# Allegro board 6089-103-RevB_76.brd (continued)
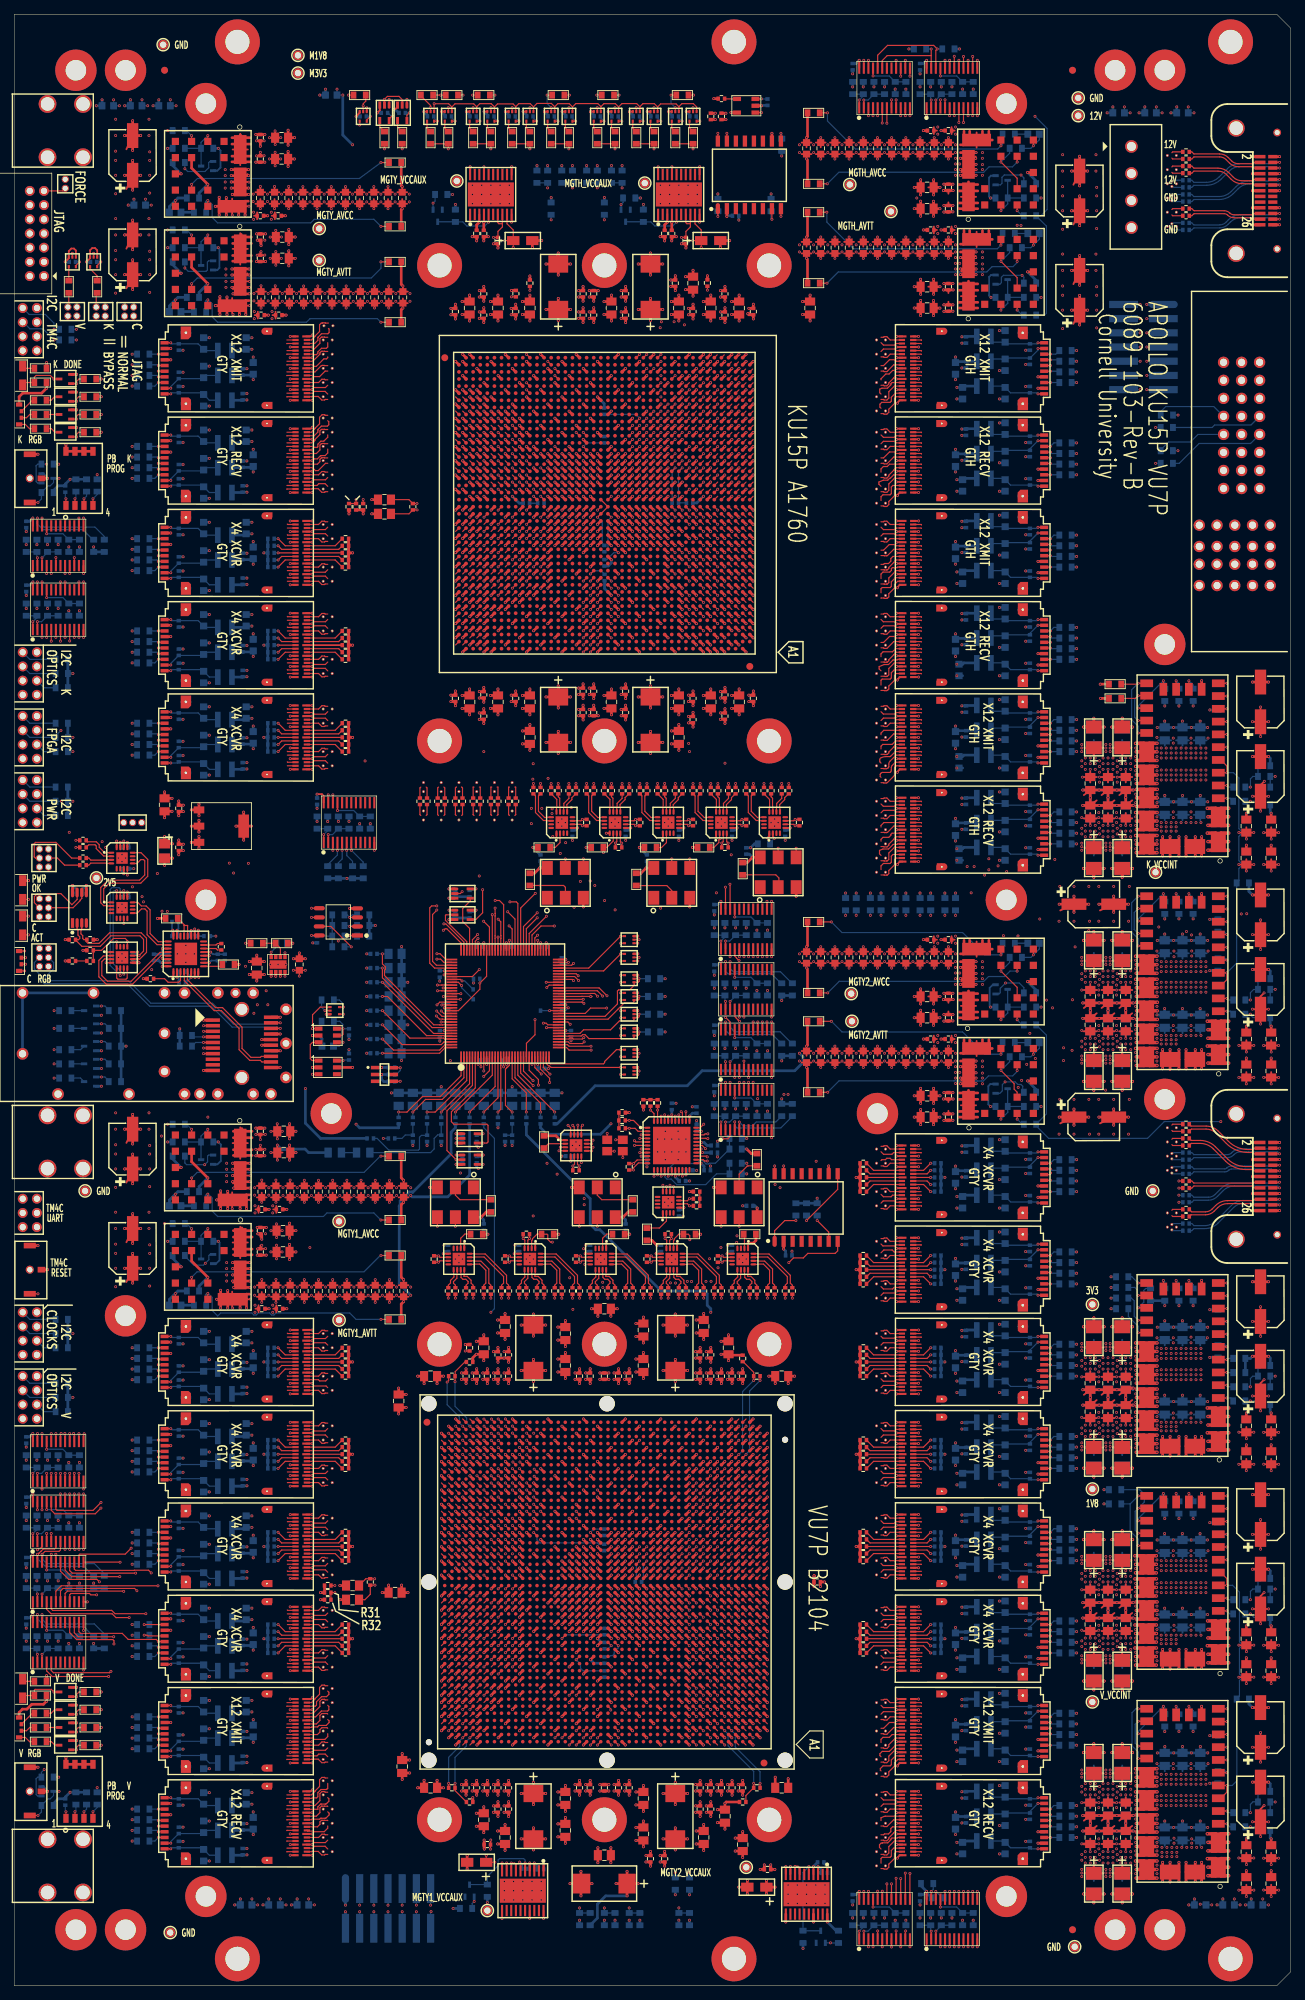
[diagram p0: board, top side]
## Nets (continued)
TM4C_LED_RED: Q25.1 R649.2 U52.118
TM4C_TO_KU15P_0: U46.2 U52.94
TM4C_TO_VU7P_0: U48.2 U52.5
V_CONFIG_BIT_M2: R682.1 SW5.1 U66.R12
V_DIP_SW_1: R667.2 SW5.2 U66.A28
V_DIP_SW_2: R659.2 SW5.3 U66.A27
V_FF1_XCVR_I2C_SCL: R281.1 U101.5 U110.8
V_FF1_XCVR_I2C_SDA: R282.1 U101.4 U110.7
V_FF2_XCVR_I2C_SCL: R285.1 U101.7 U111.8
V_FF2_XCVR_I2C_SDA: R286.1 U101.6 U111.7
V_FF3_XCVR_I2C_SCL: R289.1 U101.9 U112.8
V_FF3_XCVR_I2C_SDA: R290.1 U101.8 U112.7
V_FF4_XCVR_I2C_SCL: R293.1 U101.11 U113.8
V_FF4_XCVR_I2C_SDA: R294.1 U101.10 U113.7
V_FF5_XCVR_I2C_SCL: R297.1 U101.14 U114.8
V_FF5_XCVR_I2C_SDA: R298.1 U101.13 U114.7
V_FF6_XCVR_I2C_SCL: R301.1 U101.16 U115.8
V_FF6_XCVR_I2C_SDA: R302.1 U101.15 U115.7
V_FF7_XCVR_I2C_SCL: R624.1 U3.5 U25.8
V_FF7_XCVR_I2C_SDA: R623.1 U3.4 U25.7
V_FF8_XCVR_I2C_SCL: R628.1 U3.7 U26.8
V_FF8_XCVR_I2C_SDA: R627.1 U3.6 U26.7
V_FF9_XCVR_I2C_SCL: R632.1 U3.9 U27.8
V_FF9_XCVR_I2C_SDA: R631.1 U3.8 U27.7
V_FF10_XCVR_I2C_SCL: R636.1 U3.11 U28.8
V_FF10_XCVR_I2C_SDA: R635.1 U3.10 U28.7
V_FF11_RECV_I2C_SCL: R309.1 U101.20 U117.8
V_FF11_RECV_I2C_SDA: R310.1 U101.19 U117.7
V_FF11_XMIT_I2C_SCL: R305.1 U101.18 U116.8
V_FF11_XMIT_I2C_SDA: R306.1 U101.17 U116.7
V_FF12_RECV_I2C_SCL: R644.1 U3.16 U30.8
V_FF12_RECV_I2C_SDA: R643.1 U3.15 U30.7
V_FF12_XMIT_I2C_SCL: R640.1 U3.14 U29.8
V_FF12_XMIT_I2C_SDA: R639.1 U3.13 U29.7
V_FPGA_DONE: Q5.1 R21.2 U66.AC12
V_FPGA_I2C_SCL: R520.1 U36.7 U66.AM27
V_FPGA_I2C_SDA: R526.1 U36.6 U66.AN27
V_FPGA_PROGRAM: Q27.1 R712.2 U52.27
V_GTY1_SEL_SYNTH: R135.1 U83.2 U93.4
V_GTY2_SEL_SYNTH: R106.1 U56.2 U93.5
V_LED_BLUE: Q6.1 R22.2 U66.C27
V_LED_GREEN: Q7.1 R23.2 U66.B30
V_LED_RED: Q8.1 R24.2 U66.B29
V_MGTY1_AVCC: C28.1 C29.1 C34.1 C38.1 C50.1 C55.1 C59.1 C63.1 C67.1 C71.1 C76.1 C81.1 C88.1 C133.1 C136.1 C138.1 C139.1 C142.1 C145.1 PM1.1 R78.2 R497.1 U17.3 U66.AD36 U66.AF37 U66.AG38 U66.AL38 U66.AM36 U66.AP37 U66.AR38 U66.AT36 U66.AW38 U66.AY40 U66.L38 U66.M36 U66.N39 U66.P37 U66.R38 U66.T36 U66.U39 U66.V37
V_MGTY1_AVCC_OK: R595.2 U17.9 U52.23
V_MGTY1_AVTT: C30.1 C31.1 C35.1 C39.1 C51.1 C56.1 C60.1 C64.1 C68.1 C72.1 C77.1 C82.1 C89.1 C112.1 C113.1 C122.1 C123.1 C124.1 C125.1 PM3.1 R80.2 R90.2 R91.2 R500.1 U18.3 U66.AA39 U66.AB41 U66.AC38 U66.AD40 U66.AE39 U66.AF41 U66.AH40 U66.AJ39 U66.AK41 U66.AM40 U66.AN39 U66.AP41 U66.AT40 U66.AU39 U66.AV41 U66.BA42 U66.BA43 U66.BC43 U66.BD45 U66.BE44 U66.C45 U66.D43 U66.F42 U66.F43 U66.H40 U66.K41 U66.M40 U66.P41 U66.T40 U66.V41 U66.W38 U66.Y40
V_MGTY1_AVTT_OK: R598.2 U18.9 U52.22
V_MGTY1_VCCAUX: C114.1 C126.1 C134.1 C135.1 PM4.1 R496.1 U54.7(SENSE) U54.8 U54.9 U66.AB36 U66.AH36 U66.AK36 U66.Y36
V_MGTY2_AVCC: C253.1 C256.1 C258.1 C259.1 C265.1 C268.1 C313.1 C319.1 C323.1 C327.1 C331.1 C335.1 C339.1 C343.1 C347.1 C359.1 C363.1 C373.1 C374.1 PM19.1 R157.2 R487.1 U66.A7 U66.A11 U66.AA11 U66.AG10 U66.AJ11 U66.AL10 U66.AN11 U66.AP9 U66.AR10 U66.AU11 U66.AV9 U66.AW7 U66.B9 U66.C10 U66.E11 U66.G10 U66.J11 U66.L10 U66.N11 U66.W10 U120.3
V_MGTY2_AVCC_OK: R321.2 U52.24 U120.9
V_MGTY2_AVTT: C274.1 C275.1 C280.1 C282.1 C284.1 C285.1 C314.1 C320.1 C324.1 C328.1 C332.1 C336.1 C340.1 C344.1 C348.1 C360.1 C364.1 C377.1 C378.1 PM20.1 R145.2 R146.2 R159.2 R483.1 U66.AB9 U66.AC6 U66.AD8 U66.AE7 U66.AF9 U66.AG6 U66.AH8 U66.AJ7 U66.AK9 U66.AL6 U66.AM8 U66.AN7 U66.AR6 U66.AT8 U66.AU7 U66.B3 U66.BC5 U66.BD2 U66.BE4 U66.D8 U66.E7 U66.F9 U66.G6 U66.H8 U66.J7 U66.K9 U66.L6 U66.M8 U66.N7 U66.P9 U66.R6 U66.T8 U66.U7 U66.V9 U66.W6 U66.Y8 U121.3
V_MGTY2_AVTT_OK: R324.2 U52.25 U121.9
V_MGTY2_VCCAUX: C266.1 C267.1 C299.1 C302.1 PM18.1 R490.1 U66.AC11 U66.AE11 U66.R11 U66.U11 U99.7(SENSE) U99.8 U99.9
V_OPTICS_I2C_SCL: J8.2 U3.22 U4.22 U101.22
V_OPTICS_I2C_SDA: J8.4 U3.23 U4.23 U101.23
V_TCK_1V8: R113.2 R116.2 U66.AE13
V_TDI: J13.2 U66.AE15
V_TDO: J13.4 U66.AC13
V_TMS_1V8: R92.2 R95.2 U66.AG15(TMS_0)
V_VCCINT: C143.1 C144.1 C156.1 C157.1 C167.1 C168.1 C169.1 C170.1 C175.1 C176.1 C183.1 C184.1 C196.1 C202.1 C203.1 C212.1 C213.1 C218.1 C219.1 C220.1 C221.1 C226.1 C231.1 C236.1 C237.1 C254.1 C255.1 C389.1 C390.1 C391.1 C392.1 C401.1 C402.1 C403.1 C404.1 C411.1 C412.1 C413.1 C414.1 C421.1 C422.1 C423.1 C424.1 C431.1 C432.1 C433.1 C434.1 C487.1 C488.1 C489.1 C490.1 C513.1 C514.1 C515.1 C516.1 C523.1 C524.1 C525.1 C526.1 C534.1 C535.1 C536.1 C537.1 C544.1 C545.1 C546.1 C547.1 C555.1 C556.1 C557.1 C558.1 C565.1 C566.1 C567.1 C568.1 C575.1 C576.1 C577.1 C578.1 PM5.1 R256.2 R478.1 R494.1 U66.AA14 U66.AA16 U66.AA18 U66.AA20 U66.AA22 U66.AA24 U66.AB13 U66.AB15 U66.AB17 U66.AB19 U66.AB21 U66.AB23 U66.AB25 U66.AC14 U66.AC16 U66.AC18 U66.AC20 U66.AC22 U66.AC24 U66.AD15 U66.AD17 U66.AD19 U66.AD21 U66.AD23 U66.AD25 U66.AE14 U66.AE16 U66.AE18 U66.AE20 U66.AE22 U66.AE24 U66.AE26 U66.AF15 U66.AF17 U66.AF21 U66.AF23 U66.AF25 U66.AG14 U66.AG16 U66.AG20 U66.AG22 U66.AG24 U66.AH13 U66.AH15 U66.AH17 U66.AH21 U66.AH23 U66.AH25 U66.AJ14 U66.AJ16 U66.AJ20 U66.AJ22 U66.AJ24 U66.AK13 U66.AK15 U66.AK17 U66.AK19 U66.AK21 U66.AK23 U66.T13 U66.T15 U66.T17 U66.T19 U66.T21 U66.T23 U66.T25 U66.U14 U66.U16 U66.U18 U66.U20 U66.U22 U66.U24 U66.V13 U66.V15 U66.V17 U66.V19 U66.V21 U66.V23 U66.V25 U66.W14 U66.W16 U66.W18 U66.W20 U66.W22 U66.W24 U66.Y13 U66.Y15 U66.Y17 U66.Y19 U66.Y21 U66.Y23 U66.Y25 U125.22 U125.23 U125.25 U125.26 U126.22 U126.23 U126.25 U126.26
V_VCCINT_A_SCL: R341.1 U91.11 U125.10
V_VCCINT_A_SDA: R345.1 U91.10 U125.11
V_VCCINT_B_SCL: R401.1 U91.14 U126.10
V_VCCINT_B_SDA: R404.1 U91.13 U126.11
V_VCCINT_PG_A: U52.32 U75.4(Y)
V_VCCINT_PG_A_1: R207.2 R208.1 R224.2 U75.1
V_VCCINT_PG_A_2: R205.1 R206.2 R223.2 U75.2
V_VCCINT_PG_B: U52.31 U76.4(Y)
V_VCCINT_PG_B_1: R211.2 R212.1 R226.2 U76.1
V_VCCINT_PG_B_2: R209.1 R210.2 R225.2 U76.2
V_VCCINT_PWR_EN: R214.1 U74.4(Y) U125.5 U125.6 U126.5 U126.6
VU7P_FROM_TM4C_0: U48.4 U66.AL33
VU7P_TO_TM4C_0: U47.2 U66.AU34
N7164071: C585.1 C627.1 L7.2 U104.1
N7164321: C583.1 C625.1 L5.2 U104.10
N7181615: C588.1 C630.1 L10.2 U105.1
N7181767: C586.1 C628.1 L8.2 U105.10
N7182655: C587.1 C629.1 L9.2 U105.9
N7186304: C584.1 C626.1 L6.2 U104.9
N7242045: C591.1 C633.1 L13.2 U106.1
N7242085: C589.1 C631.1 L11.2 U106.10
N7242245: C594.1 C636.1 L16.2 U107.1
N7242265: C592.1 C634.1 L14.2 U107.10
N7242295: C593.1 C635.1 L15.2 U107.9
N7242375: C590.1 C632.1 L12.2 U106.9
N7253750: C597.1 C639.1 L19.2 U108.1
N7253790: C595.1 C637.1 L17.2 U108.10
N7253950: C600.1 C642.1 L22.2 U109.1
N7253970: C598.1 C640.1 L20.2 U109.10
N7254000: C599.1 C641.1 L21.2 U109.9
N7254080: C596.1 C638.1 L18.2 U108.9
N7267092: C893.1 C929.1 L56.2 U23.1
N7267120: C895.1 C931.1 L58.2 U23.10
N7267228: C894.1 C930.1 L57.2 U23.9
N7267342: R549.2 U23.B12
N7267344: R548.2 U23.B11
N7267346: R547.2 U23.B10
N7267348: R546.2 U23.B9
N7267350: R545.2 U23.B8
N7267352: R42.2 U23.A12
N7267354: R41.2 U23.A11
N7267356: R40.2 U23.A10
N7267358: R39.2 U23.A9
N7267360: R38.2 U23.A8
N7269158: C890.1 C926.1 L53.2 U22.1
N7269186: C892.1 C928.1 L55.2 U22.10
N7269294: C891.1 C927.1 L54.2 U22.9
N7269408: R544.2 U22.B12
N7269410: R543.2 U22.B11
N7269412: R542.2 U22.B10
N7269414: R541.2 U22.B9
N7269416: R540.2 U22.B8
N7269418: R37.2 U22.A12
N7269420: R36.2 U22.A11
N7269422: R35.2 U22.A10
N7269424: R34.2 U22.A9
N7269426: R33.2 U22.A8
N7271934: C606.1 C648.1 L28.2 U111.1
N7271962: C604.1 C646.1 L26.2 U111.10
N7272070: C605.1 C647.1 L27.2 U111.9
N7272184: R353.2 U111.B12
N7272186: R354.2 U111.B11
N7272188: R355.2 U111.B10
N7272190: R356.2 U111.B9
N7272192: R357.2 U111.B8
N7272194: R166.2 U111.A12
N7272196: R167.2 U111.A11
N7272198: R168.2 U111.A10
N7272200: R169.2 U111.A9
N7272202: R170.2 U111.A8
N7416081: R486.1 R489.1 U65.AB31
N7416127: R486.2 U65.AB30
N7416741: R448.1 R452.1 U65.AF11
N7416787: R452.2 U65.AF12
N7431932: R481.2 R482.2 U65.AM17
N7432046: R472.2 U65.AM16
N7432084: R485.2 R488.2 U65.AM18
N7432236: R462.2 R464.2 U65.AL15
N7432312: R477.2 R479.2 U65.AL16
N7433493: R417.2 U65.AL18 U95.7
N7433497: R443.2 U65.AN15 U95.1
N7433501: R413.2 U65.AN14 U95.9
N7433549: U65.AN12 U95.15
N7433553: U65.AM14 U95.8
N7433601: U65.AK17 U95.16
N7434099: Q26.3(S) R705.2 SW1.2 U65.AJ18
N7503296: R484.2 U65.AK18
N7505902: R478.2 R480.2 U66.AD12
N7506206: R406.2 U66.AG12 U98.7
N7506210: R409.2 U66.AH12 U98.1
N7506214: R407.2 U66.AL12 U98.9
N7506288: U66.AK12 U98.15
N7506296: R449.2 U66.W12
N7506304: U66.AJ12 U98.8
N7506346: R463.2 R474.2 U66.AA12
N7506428: U66.AG13 U98.16
N7506600: R459.2 R461.2 U66.U12
N7506822: R450.2 R451.2 U66.V12
N7507208: Q27.3(S) R713.2 SW3.2 U66.AE12
N7550815: R453.2 U66.Y12
N7684530: R145.1 R150.1 U66.BA5
N7684576: R150.2 U66.BA4
N7685442: R146.1 R151.1 U66.C7
N7685484: R151.2 U66.C6
N7686119: R87.1 R90.1 U66.BE42
N7686165: R87.2 U66.BE43
N7686273: R88.1 R91.1 U66.B42
N7686319: R88.2 U66.B43
N7773368: J1.13 J12.2 R70.2 U37.2
N7773583: R136.1 U86.4(Y)
N7774117: R130.1 U78.4(Y)
N7774145: U37.4(Y) U41.1 U42.1 U49.1 U50.1 U53.1 U55.1 U57.1 U60.1 U62.1 U67.1 U77.1 U78.1 U84.1 U86.1
N7774339: R116.1 U67.4(Y)
N7775449: R113.1 U62.4(Y)
N7775531: R123.1 U77.4(Y)
N7775613: R133.1 U84.4(Y)
N7781104: R92.1 U49.4(Y)
N7781202: R98.1 U53.4(Y)
N7781356: R107.1 U57.4(Y)
N7781480: R95.1 U50.4(Y)
N7781570: R101.1 U55.4(Y)
N7781690: R109.1 U60.4(Y)
N7785178: R85.1 U42.4(Y)
N7785276: R83.1 U41.4(Y)
N7786813: J15.3 U9.2
N7786849: J13.1 R11.2
N7786853: J14.3 U7.2
N7788022: R25.1 U9.4(Y)
N7788421: R11.1 U7.4(Y)
N7873129: J13.3 U38.2 U40.2
N7875048: R72.1 U38.4
N7875062: R81.1 U40.4
N7921883: R191.1 U122.17 U122.21 U123.17 U123.21
N7921887: R192.1 U122.18 U122.20 U123.18 U123.20
N7922601: R245.1 U122.16 U122.19(VTRIM_2)
N7927125: R240.1 U122.15
N7927299: R235.1 U122.14
N7927470: R227.1 U122.9
N7930999: R228.1 U123.9
N7931071: R236.1 U123.14
N7931075: R246.1 U123.16 U123.19(VTRIM_2)
N7931121: R241.1 U123.15
N7932656: R229.1 U122.7 U123.7
N7932668: U122.8 U123.8
N7976034: C953.2 R583.1 U15.17
N7976041: R583.2 U15.7 U15.10
N7976167: R74.1 R579.1 U15.8
N7976190: C953.1 R579.2
N7976427: R73.1 U15.11(VS-)
N8075654: R153.1 R329.1 U118.8
N8076002: C579.1 R329.2
N8076188: C579.2 R325.1 U118.17
N8076282: R325.2 U118.7 U118.10
N8076364: R154.1 U118.11(VS-)
N8077950: R76.1 R580.1 U16.8
N8078298: C954.1 R580.2
N8078484: C954.2 R584.1 U16.17
N8078578: R584.2 U16.7 U16.10
N8078660: R75.1 U16.11(VS-)
N8080392: R155.1 R330.1 U119.8
N8080740: C580.1 R330.2
N8080926: C580.2 R326.1 U119.17
N8081020: R326.2 U119.7 U119.10
N8081102: R156.1 U119.11(VS-)
N8091418: C957.2 R585.1 U17.17
N8091422: R585.2 U17.7 U17.10
N8091430: R78.1 R581.1 U17.8
N8091438: C957.1 R581.2
N8091448: R77.1 U17.11(VS-)
N8091566: R157.1 R331.1 U120.8
N8091578: C581.1 R331.2
N8091654: C581.2 R327.1 U120.17
N8091666: R327.2 U120.7 U120.10
N8091686: R158.1 U120.11(VS-)
N8091776: R80.1 R582.1 U18.8
N8091788: C958.1 R582.2
N8091864: C958.2 R586.1 U18.17
N8091876: R586.2 U18.7 U18.10
N8091896: R79.1 U18.11(VS-)
N8091986: R159.1 R332.1 U121.8
N8091998: C582.1 R332.2
N8092074: C582.2 R328.1 U121.17
N8092086: R328.2 U121.7 U121.10
N8092106: R160.1 U121.11(VS-)
N8123980: R251.1 U124.17
N8123984: R252.1 U124.18
N8124132: R230.1 U124.9
N8124142: R237.1 U124.14
N8124144: R247.1 U124.16
N8124154: R242.1 U124.15
N8127938: R256.1 U125.17 U125.21 U126.17 U126.21
N8127940: R255.1 U125.18 U125.20 U126.18 U126.20
N8127968: R248.1 U125.16 U125.19(VTRIM_2)
N8128040: R243.1 U125.15
N8128044: R238.1 U125.14
N8128048: R232.1 U125.9
N8128386: R233.1 U126.9
N8128396: R239.1 U126.14
N8128398: R249.1 U126.16 U126.19(VTRIM_2)
N8128408: R244.1 U126.15
N8128418: R234.1 U125.7 U126.7
N8128424: U125.8 U126.8
N8133874: R250.1 U124.19(VTRIM_2)
N8134441: R254.1 U124.21
N8134986: R253.1 U124.20
N8299030: C896.1 C932.1 L59.2 U24.1
N8299058: C898.1 C934.1 L61.2 U24.10
N8299166: C897.1 C933.1 L60.2 U24.9
N8299280: R554.2 U24.B12
N8299282: R553.2 U24.B11
N8299284: R552.2 U24.B10
N8299286: R551.2 U24.B9
N8299288: R550.2 U24.B8
N8299290: R47.2 U24.A12
N8299292: R46.2 U24.A11
N8299294: R45.2 U24.A10
N8299296: R44.2 U24.A9
N8299298: R43.2 U24.A8
N8304104: R144.1 U97.2
N8304200: R103.1 U59.2
N8379593: C609.1 C651.1 L31.2 U112.1
N8379621: C607.1 C649.1 L29.2 U112.10
N8379729: C608.1 C650.1 L30.2 U112.9
N8379843: R358.2 U112.B12
N8379845: R359.2 U112.B11
N8379847: R360.2 U112.B10
N8379849: R361.2 U112.B9
N8379851: R362.2 U112.B8
N8379853: R171.2 U112.A12
N8379855: R172.2 U112.A11
N8379857: R173.2 U112.A10
N8379859: R174.2 U112.A9
N8379861: R175.2 U112.A8
N8381659: C612.1 C654.1 L34.2 U113.1
N8381687: C610.1 C652.1 L32.2 U113.10
N8381795: C611.1 C653.1 L33.2 U113.9
N8381909: R363.2 U113.B12
N8381911: R364.2 U113.B11
N8381913: R365.2 U113.B10
N8381915: R366.2 U113.B9
N8381917: R367.2 U113.B8
N8381919: R176.2 U113.A12
N8381921: R177.2 U113.A11
N8381923: R178.2 U113.A10
N8381925: R179.2 U113.A9
N8381927: R180.2 U113.A8
N8383725: C615.1 C657.1 L37.2 U114.1
N8383753: C613.1 C655.1 L35.2 U114.10
N8383861: C614.1 C656.1 L36.2 U114.9
N8383975: R368.2 U114.B12
N8383977: R369.2 U114.B11
N8383979: R370.2 U114.B10
N8383981: R371.2 U114.B9
N8383983: R372.2 U114.B8
N8383985: R181.2 U114.A12
N8383987: R182.2 U114.A11
N8383989: R183.2 U114.A10
N8383991: R184.2 U114.A9
N8383993: R185.2 U114.A8
N8385791: C618.1 C660.1 L40.2 U115.1
N8385819: C616.1 C658.1 L38.2 U115.10
N8385927: C617.1 C659.1 L39.2 U115.9
N8386041: R373.2 U115.B12
N8386043: R374.2 U115.B11
N8386045: R375.2 U115.B10
N8386047: R376.2 U115.B9
N8386049: R377.2 U115.B8
N8386051: R186.2 U115.A12
N8386053: R187.2 U115.A11
N8386055: R188.2 U115.A10
N8386057: R189.2 U115.A9
N8386059: R190.2 U115.A8
N8396121: C899.1 C935.1 L62.2 U25.1
N8396149: C901.1 C937.1 L64.2 U25.10
N8396257: C900.1 C936.1 L63.2 U25.9
N8396371: R559.2 U25.B12
N8396373: R558.2 U25.B11
N8396375: R557.2 U25.B10
N8396377: R556.2 U25.B9
N8396379: R555.2 U25.B8
N8396381: R52.2 U25.A12
N8396383: R51.2 U25.A11
N8396385: R50.2 U25.A10
N8396387: R49.2 U25.A9
N8396389: R48.2 U25.A8
N8398187: C902.1 C938.1 L65.2 U26.1
N8398215: C904.1 C940.1 L67.2 U26.10
N8398323: C903.1 C939.1 L66.2 U26.9
N8398437: R564.2 U26.B12
N8398439: R563.2 U26.B11
N8398441: R562.2 U26.B10
N8398443: R561.2 U26.B9
N8398445: R560.2 U26.B8
N8398447: R57.2 U26.A12
N8398449: R56.2 U26.A11
N8398451: R55.2 U26.A10
N8398453: R54.2 U26.A9
N8398455: R53.2 U26.A8
N8400253: C905.1 C941.1 L68.2 U27.1
N8400281: C907.1 C943.1 L70.2 U27.10
N8400389: C906.1 C942.1 L69.2 U27.9
N8400503: R569.2 U27.B12
N8400505: R568.2 U27.B11
N8400507: R567.2 U27.B10
N8400509: R566.2 U27.B9
N8400511: R565.2 U27.B8
N8400513: R62.2 U27.A12
N8400515: R61.2 U27.A11
N8400517: R60.2 U27.A10
N8400519: R59.2 U27.A9
N8400521: R58.2 U27.A8
N8404385: C908.1 C944.1 L71.2 U28.1
N8404413: C910.1 C946.1 L73.2 U28.10
N8404521: C909.1 C945.1 L72.2 U28.9
N8404635: R574.2 U28.B12
N8404637: R573.2 U28.B11
N8404639: R572.2 U28.B10
N8404641: R571.2 U28.B9
N8404643: R570.2 U28.B8
N8404645: R67.2 U28.A12
N8404647: R66.2 U28.A11
N8404649: R65.2 U28.A10
N8404651: R64.2 U28.A9
N8404653: R63.2 U28.A8
N8412649: C603.1 C645.1 L25.2 U110.1
N8412677: C601.1 C643.1 L23.2 U110.10
N8412785: C602.1 C644.1 L24.2 U110.9
N8412899: R348.2 U110.B12
N8412901: R349.2 U110.B11
N8412903: R350.2 U110.B10
N8412905: R351.2 U110.B9
N8412907: R352.2 U110.B8
N8412909: R161.2 U110.A12
N8412911: R162.2 U110.A11
N8412913: R163.2 U110.A10
N8412915: R164.2 U110.A9
N8412917: R165.2 U110.A8
N8755381: C14.1 U14.15
N8755388: C14.2 U14.14
N8755779: R27.1 U14.9
N8755879: R26.1 U14.20 U14.21
N8799713: C9.1 U14.3(VREF)
N8973377: U12.1 U12.4
N8973389: U12.5 U12.8
N9013614: R19.1 R20.1 U12.13
N9014994: C4.2 J9.5
N9015008: C3.2 J9.2
N9069787: R650.1 U1.22 U2.18
N9069799: R655.1 U1.23 U2.17
N9079797: R344.1 U100.20 U102.22
N9079817: R383.1 U100.19 U102.23
N9085638: C788.1 R496.2 U52.14
N9085714: C785.1 R494.2 U52.15
N9085979: C802.1 R500.2 U52.12
N9086055: C797.1 R497.2 U52.13
N9089056: C821.1 R517.2 U52.128
N9089132: C820.1 R516.2 U52.127
N9089208: C819.1 R515.2 U52.126
N9089284: C818.1 R514.2 U52.125
N9089360: C817.1 R513.2 U52.124
N9089436: C816.1 R512.2 U52.123
N9090009: C815.1 R511.2 U52.121
N9090085: C814.1 R510.2 U52.120
N9090161: C806.1 R502.2 U52.4
N9090237: C810.1 R504.2 U52.3
N9090297: R504.1 R505.1 R519.2
N9090313: C811.1 R506.2 U52.2
N9090373: R506.1 R507.1 R509.2
N9090389: C813.1 R508.2 U52.1
N9091494: R411.1 U93.22 U94.18
N9091498: R415.1 U93.23 U94.17
N9091502: R410.1 U92.22 U94.20
N9091508: R414.1 U92.23 U94.19
N9099978: R378.1 U4.5 U103.22
N9099982: R382.1 U4.4 U103.23
N9099986: R651.1 U4.7 U5.22
N9099990: R656.1 U4.6 U5.23
N9099994: R652.1 U4.9 U6.22
N9099998: R657.1 U4.8 U6.23
N9105000: J5.1 R689.1 U52.49
N9105012: J5.3 R690.1 U52.50
N9105225: J7.1 R692.1 U52.51
N9105241: J7.3 R693.1 U52.52
N9105393: J8.1 R695.1 U52.53
N9105409: J8.3 R696.1 U52.54
N9105783: J3.1 R683.1 U52.55
N9105799: J3.3 R684.1 U52.56
N9105863: J4.1 R686.1 U52.40
N9105879: J4.3 R687.1 U52.41
N9156413: J2.2 U35.6 U52.91
N9156417: J2.4 U35.5 U52.92
N9281329: R469.2 U65.AJ24
N9281788: R473.2 U66.AK25
N9328942: R68.1 R69.2 U65.AA22
N9329074: R71.2 U65.AB21
N9329322: C90.1 C91.1 L3.2 U65.Y21
N9329407: C90.2 C91.2 L4.2 U65.AA21 U65.AB22 U65.Y22
N9443232: C73.1 C78.1 L1.2 U66.AF19
N9443288: C73.2 C78.2 L2.2 U66.AF18 U66.AG18 U66.AH19
N9443392: R31.2 R32.1 U66.AG19
N9443404: R30.2 U66.AH18
N9493741: R521.2 R530.1 U35.3
N9493817: R522.2 R531.1 U35.2
N9493893: R523.2 R532.1 U35.1
N9543401: R418.2 R423.1 U91.21
N9543477: R427.2 R431.1 U91.2
N9543553: R439.2 R444.1 U91.1
N9544090: R421.2 R426.1 U94.21
N9544166: R430.2 R434.1 U94.2
N9544242: R442.2 R447.1 U94.1
N9547158: R428.2 R432.1 U92.3
N9547234: R440.2 R445.1 U92.2
N9547310: R419.2 R424.1 U92.21
N9547925: R429.2 R433.1 U93.3
N9548001: R441.2 R446.1 U93.2
N9548077: R420.2 R425.1 U93.21
N9548614: R518.2 R525.1 U36.21
N9548690: R527.2 R528.1 U36.2
N9548766: R535.2 R539.1 U36.1
N9549273: R387.2 R390.1 U100.21
N9549349: R393.2 R396.1 U100.2
N9549425: R399.2 R402.1 U100.1
N9549980: R661.2 R669.1 U2.21
N9550056: R699.2 R707.1 U2.2
N9550132: R715.2 R721.1 U2.1
N9550687: R698.2 R706.1 U1.3
N9550763: R714.2 R720.1 U1.2
N9550839: R660.2 R668.1 U1.21
N9551394: R342.2 R346.1 U102.3
N9551470: R379.2 R384.1 U102.2
N9551546: R337.2 R339.1 U102.21
N9552131: R389.2 R392.1 U101.21
N9552207: R394.2 R397.1 U101.2
N9552283: R400.2 R403.1 U101.1
N9552898: R662.2 R670.1 U3.21
N9552974: R700.2 R708.1 U3.2
N9553050: R716.2 R722.1 U3.1
N9553665: R663.2 R671.1 U4.21
N9553741: R701.2 R709.1 U4.2
N9553817: R717.2 R723.1 U4.1
N9554432: R703.2 R711.1 U6.3
N9554508: R719.2 R725.1 U6.2
N9554584: R665.2 R673.1 U6.21
N9555199: R702.2 R710.1 U5.3
N9555275: R718.2 R724.1 U5.2
N9555351: R664.2 R672.1 U5.21
N9555966: R343.2 R347.1 U103.3
N9556042: R381.2 R386.1 U103.2
N9556118: R338.2 R340.1 U103.21
N9709492: C791.1 U52.87 U52.115
N9710360: C822.1 C823.1 U39.6(VOUT) U52.9(VREFA+)
N9765111: R422.2 U96.2
N9765236: R104.2 U58.2
N9820302: U81.7 X1.4
N9820304: U81.4 X1.2
N9820320: C250.1 R138.1 R139.2
N9820342: C205.1 R119.2 R120.1
N9820352: C216.1 R129.1 R131.2
N9820544: R126.1 U80.2
N9820548: R105.1 U61.2
N9826228: R437.2 R438.1 U81.15
N9826304: R435.2 R436.1 U81.16
N9927204: R538.1 U32.1 U34.1
N9928179: J6.2 U52.35
N9929570: R491.1 R492.2 R493.1
N9935962: R124.1 U82.2
N9936224: R128.2 U79.2
N9938016: R149.1 U88.2
N9938106: R96.1 U43.2
N9938218: R148.2 U89.2
N9938224: R93.2 U44.2
N9938240: R122.1 U63.2
N9938302: R118.2 U64.2
N11055006: C884.1 C920.1 L47.2 U20.1
N11055236: C886.1 C922.1 L49.2 U20.10
N11055432: C885.1 C921.1 L48.2 U20.9
N11056482: C887.1 C923.1 L50.2 U21.1
N11056704: C889.1 C925.1 L52.2 U21.10
N11056904: C888.1 C924.1 L51.2 U21.9
N11063907: C911.1 C947.1 L74.2 U29.1
N11064137: C913.1 C949.1 L76.2 U29.10
N11064333: C912.1 C948.1 L75.2 U29.9
N11065383: C914.1 C950.1 L77.2 U30.1
N11065605: C916.1 C952.1 L79.2 U30.10
N11065805: C915.1 C951.1 L78.2 U30.9
N11070843: C621.1 C663.1 L43.2 U116.1
N11071073: C619.1 C661.1 L41.2 U116.10
N11071269: C620.1 C662.1 L42.2 U116.9
N11072315: C624.1 C666.1 L46.2 U117.1
N11072537: C622.1 C664.1 L44.2 U117.10
N11072737: C623.1 C665.1 L45.2 U117.9
N11271566: J5.5 U52.45
N11273195: J7.5 U52.57
N11273246: J8.5 U52.58
N11273298: J3.5 U52.59
N11273351: J4.5 U52.42
N11321811: J16.2 R533.2 U35.7(WP)
N11416929: R471.2 U66.T29
N12333393: R231.1 U124.7
N12522065: R13.1 R20.2
N12522900: R28.2 R29.1 U31.6
N12570010: C834.1 U31.8
N13337343: C782.1 R491.2 U52.18
N13337502: C779.1 R490.2 U52.19
N13337662: C775.1 R487.2 U52.20
N13337823: C770.1 R483.2 U52.21
N13338747: R502.1 R503.1 R524.2
N13338944: R524.1 R534.2
N13383009: C271.1 U90.4
N13723567: U32.3 U33.1
N13726889: SW2.2 U33.3
N13727369: C830.1 U32.4
N13828637: Q25.3(S) R681.1
N13828747: Q24.3(S) R680.1
N13828857: Q23.3(S) R679.1
N13829314: Q4.3(S) R5.1
N13829424: Q3.3(S) R4.1
N13829534: Q2.3(S) R3.1
N13830015: Q8.3(S) R10.1
N13830125: Q7.3(S) R9.1
N13830235: Q6.3(S) R8.1
N13855428: D2.4(RED) R681.2
N13855430: D2.2 R680.2
N13855432: D2.1 R679.2
N13855604: D1.4(RED) R5.2
N13855606: D1.2 R4.2
N13855608: D1.1 R3.2
N13855686: D3.4(RED) R10.2
N13855688: D3.2 R9.2
N13855690: D3.1 R8.2
N13857766: Q22.3(S) R678.1
N13904881: D4.2 R1.1
N13905573: D7.2 R6.1
N13906200: Q21.3(S) R677.1
N13909742: J6.4 U52.36
N13910342: R216.1 U122.3
N13910346: R215.1 U122.4
N13914390: R218.1 U123.3
N13914416: R217.1 U123.4
N13914534: R224.1 U125.3
N13914560: R223.1 U125.4
N13914678: R226.1 U126.3
N13914704: R225.1 U126.4
N13914806: R222.1 U124.3
N13914832: R221.1 U124.4
N13966502: R475.2 U66.AK33
N13967707: R470.2 U65.R20
N13971172: R102.2 U65.AJ28
N14020902: D5.1(CATHODE) R677.2
N14020936: D6.1(CATHODE) R678.2
N14121407: R468.2 U66.R22
N14169092: R476.2 U65.AN17
N14169120: TP1.1(TP) U52.46
N14169180: TP3.1(TP) U52.105
N14169184: TP2.1(TP) U52.104
N14265313: R141.2 U65.AW12
N14265468: R99.2 U65.BB32
N14265537: R465.2 U65.M23
N14265607: R89.2 U66.BD38
N14265676: R467.2 U66.N27
N14265824: R466.2 U66.R23
N14558092: P1.4 R726.1
N14558100: P1.5 R728.1
N14558108: P1.20 R727.1
N14558116: P1.21 R729.1
